# Altium PCB Apalis-Smart-Vision-Baseboard.PcbDoc (part 5 of 6) (continued)
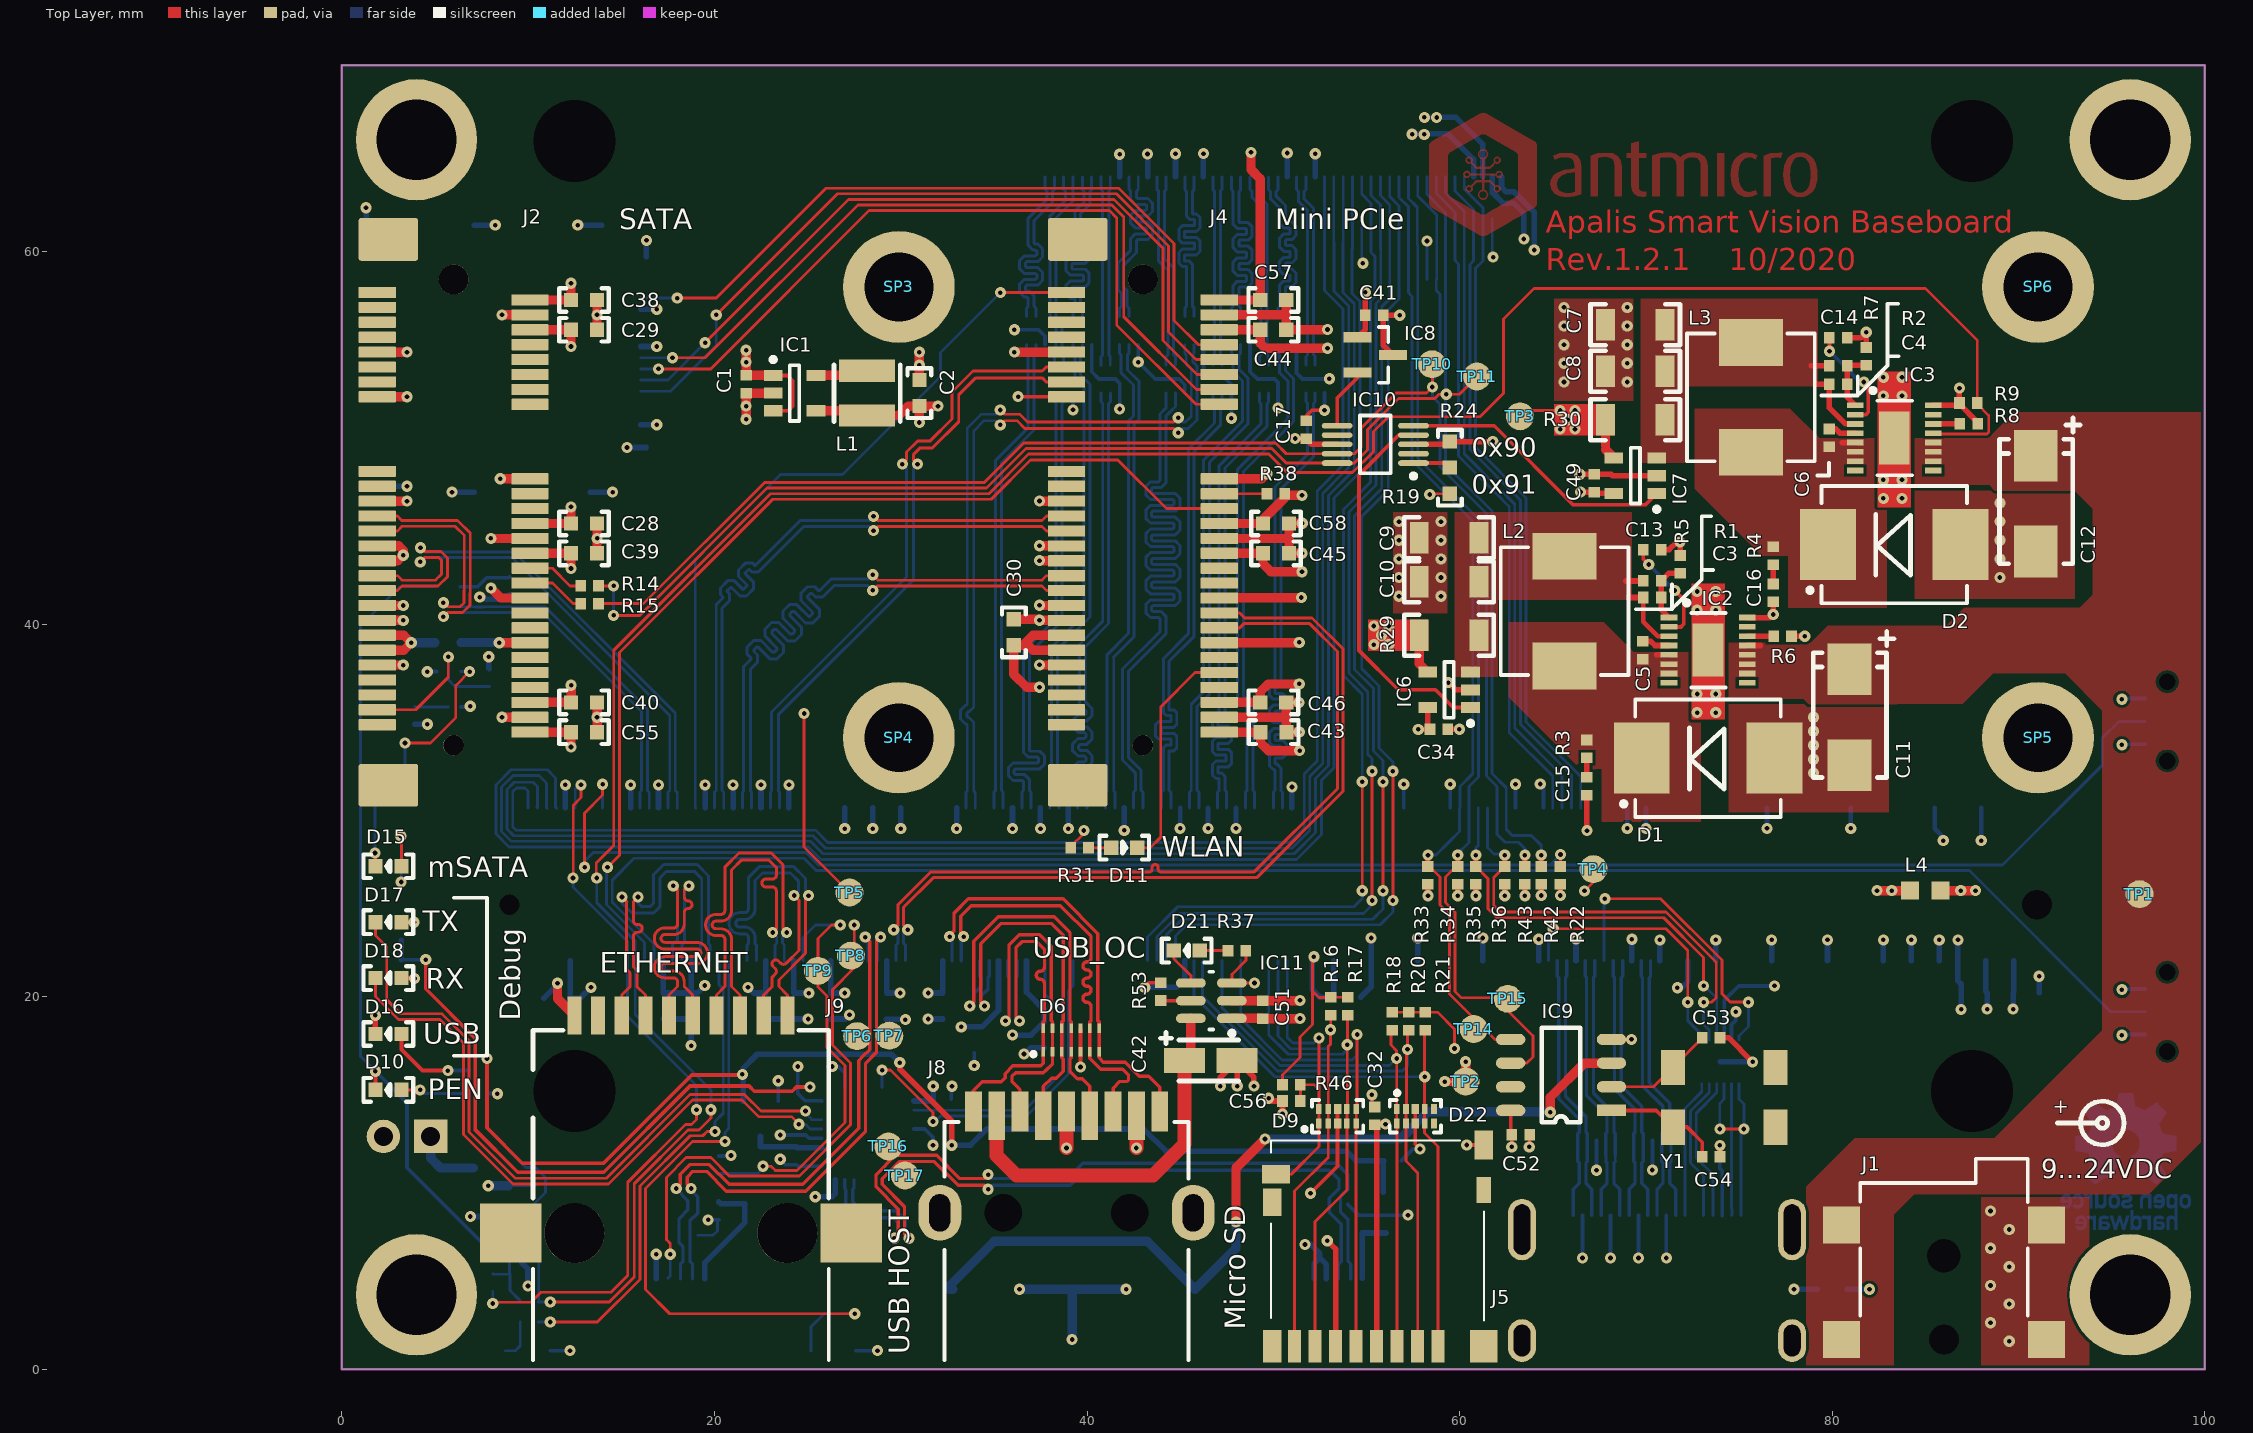
[diagram p0: Top Layer view]
## Nets (pads, with @x,y where several pads share a name; then routed paths per layer and width w, separated by ;. In a path a pad name is that pad's centre, name@x,y a point inside that pad or via, vN(x,y) a via of type N, cw(c..) or ccw(c..) an arc to the next point about the centre after c; other vN are vias at no path point) (continued)
; 96.866,13.937 97.794,13.937 ; 96.876,13.947 97.785,13.947 ; 96.885,8.089 97.096,8.089 ; 96.885,10.32 97.785,10.32 ; 96.894,8.079 97.096,8.079 ; 96.894,9.245 97.114,9.245 ; 96.894,10.311 97.775,10.311 ; 96.894,13.956 97.775,13.956 ; 96.903,13.965 97.766,13.965 ; 96.912,8.061 97.096,8.061 ; 96.912,8.07 97.096,8.07 ; 96.912,9.236 97.114,9.236 ; 96.912,10.301 97.766,10.301 ; 96.922,8.052 97.096,8.052 ; 96.922,9.227 97.114,9.227 ; 96.922,10.292 97.757,10.292 ; 96.922,13.974 97.757,13.974 ; 96.931,8.033 97.096,8.033 ; 96.931,8.043 97.096,8.043 ; 96.931,9.218 97.114,9.218 ; 96.931,13.983 97.748,13.983 ; 96.94,8.015 97.096,8.015 ; 96.94,8.024 97.096,8.024 ; 96.94,9.209 97.114,9.209 ; 96.94,10.283 97.748,10.283 ; 96.949,7.519 97.096,7.519 ; 96.949,7.528 97.096,7.528 ; 96.949,7.538 97.096,7.538 ; 96.949,7.547 97.096,7.547 ; 96.949,7.556 97.096,7.556 ; 96.949,7.565 97.096,7.565 ; 96.949,7.574 97.096,7.574 ; 96.949,7.584 97.096,7.584 ; 96.949,7.593 97.096,7.593 ; 96.949,7.602 97.096,7.602 ; 96.949,7.611 97.096,7.611 ; 96.949,7.62 97.096,7.62 ; 96.949,7.629 97.096,7.629 ; 96.949,7.639 97.096,7.639 ; 96.949,7.648 97.096,7.648 ; 96.949,7.657 97.096,7.657 ; 96.949,7.666 97.096,7.666 ; 96.949,7.675 97.096,7.675 ; 96.949,7.684 97.096,7.684 ; 96.949,7.694 97.096,7.694 ; 96.949,7.703 97.096,7.703 ; 96.949,7.712 97.096,7.712 ; 96.949,7.721 97.096,7.721 ; 96.949,7.73 97.096,7.73 ; 96.949,7.74 97.096,7.74 ; 96.949,7.749 97.096,7.749 ; 96.949,7.758 97.096,7.758 ; 96.949,7.767 97.096,7.767 ; 96.949,7.776 97.096,7.776 ; 96.949,7.785 97.096,7.785 ; 96.949,7.795 97.096,7.795 ; 96.949,7.804 97.096,7.804 ; 96.949,7.813 97.096,7.813 ; 96.949,7.822 97.096,7.822 ; 96.949,7.831 97.096,7.831 ; 96.949,7.841 97.096,7.841 ; 96.949,7.85 97.096,7.85 ; 96.949,7.859 97.096,7.859 ; 96.949,7.868 97.096,7.868 ; 96.949,7.877 97.096,7.877 ; 96.949,7.886 97.096,7.886 ; 96.949,7.896 97.096,7.896 ; 96.949,7.905 97.096,7.905 ; 96.949,7.914 97.096,7.914 ; 96.949,7.923 97.096,7.923 ; 96.949,7.932 97.096,7.932 ; 96.949,7.942 97.096,7.942 ; 96.949,7.951 97.096,7.951 ; 96.949,7.96 97.096,7.96 ; 96.949,7.969 97.096,7.969 ; 96.949,7.978 97.096,7.978 ; 96.949,7.988 97.096,7.988 ; 96.949,7.997 97.096,7.997 ; 96.949,8.006 97.096,8.006 ; 96.949,8.171 97.096,8.171 ; 96.949,8.18 97.096,8.18 ; 96.949,8.19 97.096,8.19 ; 96.949,8.199 97.096,8.199 ; 96.949,8.208 97.096,8.208 ; 96.949,8.217 97.096,8.217 ; 96.949,8.226 97.096,8.226 ; 96.949,8.235 97.096,8.235 ; 96.949,9.2 97.114,9.2 ; 96.949,10.274 97.739,10.274 ; 96.949,13.992 97.739,13.992 ; 96.958,9.181 97.114,9.181 ; 96.958,9.19 97.114,9.19 ; 96.958,10.265 97.73,10.265 ; 96.958,14.002 97.73,14.002 ; 96.967,9.154 97.114,9.154 ; 96.967,9.163 97.114,9.163 ; 96.967,9.172 97.114,9.172 ; 96.977,8.676 97.114,8.676 ; 96.977,8.685 97.114,8.685 ; 96.977,8.695 97.114,8.695 ; 96.977,8.704 97.114,8.704 ; 96.977,8.713 97.114,8.713 ; 96.977,8.722 97.114,8.722 ; 96.977,8.731 97.114,8.731 ; 96.977,8.74 97.114,8.74 ; 96.977,8.75 97.114,8.75 ; 96.977,8.759 97.114,8.759 ; 96.977,8.768 97.114,8.768 ; 96.977,8.777 97.114,8.777 ; 96.977,8.786 97.114,8.786 ; 96.977,8.796 97.114,8.796 ; 96.977,8.805 97.114,8.805 ; 96.977,8.814 97.114,8.814 ; 96.977,8.823 97.114,8.823 ; 96.977,8.832 97.114,8.832 ; 96.977,8.841 97.114,8.841 ; 96.977,8.851 97.114,8.851 ; 96.977,8.86 97.114,8.86 ; 96.977,8.869 97.114,8.869 ; 96.977,8.878 97.114,8.878 ; 96.977,8.887 97.114,8.887 ; 96.977,8.897 97.114,8.897 ; 96.977,8.906 97.114,8.906 ; 96.977,8.915 97.114,8.915 ; 96.977,8.924 97.114,8.924 ; 96.977,8.933 97.114,8.933 ; 96.977,8.942 97.114,8.942 ; 96.977,8.952 97.114,8.952 ; 96.977,8.961 97.114,8.961 ; 96.977,8.97 97.114,8.97 ; 96.977,8.979 97.114,8.979 ; 96.977,8.988 97.114,8.988 ; 96.977,8.998 97.114,8.998 ; 96.977,9.007 97.114,9.007 ; 96.977,9.016 97.114,9.016 ; 96.977,9.025 97.114,9.025 ; 96.977,9.034 97.114,9.034 ; 96.977,9.043 97.114,9.043 ; 96.977,9.053 97.114,9.053 ; 96.977,9.062 97.114,9.062 ; 96.977,9.071 97.114,9.071 ; 96.977,9.08 97.114,9.08 ; 96.977,9.089 97.114,9.089 ; 96.977,9.099 97.114,9.099 ; 96.977,9.108 97.114,9.108 ; 96.977,9.117 97.114,9.117 ; 96.977,9.126 97.114,9.126 ; 96.977,9.135 97.114,9.135 ; 96.977,9.144 97.114,9.144 ; 96.977,9.319 97.114,9.319 ; 96.977,9.328 97.114,9.328 ; 96.977,9.337 97.114,9.337 ; 96.977,9.346 97.114,9.346 ; 96.977,9.356 97.114,9.356 ; 96.977,9.365 97.114,9.365 ; 96.977,9.374 97.114,9.374 ; 96.977,9.383 97.114,9.383 ; 96.977,10.255 97.72,10.255 ; 96.977,14.011 97.72,14.011 ; 96.986,10.246 97.711,10.246 ; 96.986,14.02 97.711,14.02 ; 96.995,14.029 97.702,14.029 ; 97.004,10.237 97.702,10.237 ; 97.013,10.228 97.693,10.228 ; 97.013,14.038 97.693,14.038 ; 97.023,14.048 97.684,14.048 ; 97.032,10.219 97.684,10.219 ; 97.041,10.21 97.674,10.21 ; 97.041,14.057 97.674,14.057 ; 97.05,14.066 97.665,14.066 ; 97.059,10.2 97.665,10.2 ; 97.068,10.191 97.656,10.191 ; 97.068,14.075 97.656,14.075 ; 97.078,14.084 97.647,14.084 ; 97.087,10.182 97.647,10.182 ; 97.096,10.173 97.638,10.173 ; 97.096,14.093 97.638,14.093 ; 97.105,10.164 97.629,10.164 ; 97.105,14.103 97.629,14.103 ; 97.124,10.154 97.619,10.154 ; 97.124,14.112 97.619,14.112 ; 97.133,10.145 97.61,10.145 ; 97.133,14.121 97.61,14.121 ; 97.151,10.136 97.601,10.136 ; 97.151,14.13 97.601,14.13 ; 97.16,10.127 97.592,10.127 ; 97.16,14.139 97.592,14.139 ; 97.169,14.149 97.583,14.149 ; 97.179,10.118 97.583,10.118 ; 97.188,10.109 97.573,10.109 ; 97.188,14.158 97.573,14.158 ; 97.197,14.167 97.564,14.167 ; 97.206,10.099 97.564,10.099 ; 97.215,10.09 97.555,10.09 ; 97.215,14.176 97.555,14.176 ; 97.225,14.185 97.546,14.185 ; 97.234,10.081 97.546,10.081 ; 97.243,10.072 97.537,10.072 ; 97.243,14.194 97.537,14.194 ; 97.252,8.979 97.84,8.979 ; 97.252,8.988 97.84,8.988 ; 97.252,8.998 97.84,8.998 ; 97.252,9.007 97.84,9.007 ; 97.252,9.016 97.84,9.016 ; 97.252,9.025 97.84,9.025 ; 97.252,9.034 97.84,9.034 ; 97.252,9.043 97.84,9.043 ; 97.252,9.053 97.84,9.053 ; 97.252,9.062 97.84,9.062 ; 97.252,9.071 97.84,9.071 ; 97.252,9.08 97.84,9.08 ; 97.252,9.089 97.84,9.089 ; 97.252,9.099 97.39,9.099 ; 97.252,9.108 97.39,9.108 ; 97.252,9.117 97.39,9.117 ; 97.252,9.126 97.39,9.126 ; 97.252,9.135 97.399,9.135 ; 97.252,9.144 97.399,9.144 ; 97.252,9.154 97.399,9.154 ; 97.252,10.063 97.528,10.063 ; 97.252,14.204 97.528,14.204 ; 97.261,7.519 97.399,7.519 ; 97.261,7.528 97.399,7.528 ; 97.261,7.538 97.399,7.538 ; 97.261,7.547 97.399,7.547 ; 97.261,7.556 97.399,7.556 ; 97.261,7.565 97.399,7.565 ; 97.261,7.574 97.399,7.574 ; 97.261,7.584 97.785,7.584 ; 97.261,7.593 97.794,7.593 ; 97.261,7.602 97.803,7.602 ; 97.261,7.611 97.803,7.611 ; 97.261,7.62 97.812,7.62 ; 97.261,7.629 97.812,7.629 ; 97.261,7.639 97.821,7.639 ; 97.261,7.648 97.472,7.648 ; 97.261,7.657 97.445,7.657 ; 97.261,7.666 97.436,7.666 ; 97.261,7.675 97.427,7.675 ; 97.261,7.684 97.417,7.684 ; 97.261,7.694 97.417,7.694 ; 97.261,7.703 97.408,7.703 ; 97.261,7.712 97.408,7.712 ; 97.261,7.721 97.408,7.721 ; 97.261,7.73 97.399,7.73 ; 97.261,7.74 97.399,7.74 ; 97.261,7.749 97.399,7.749 ; 97.261,7.758 97.399,7.758 ; 97.261,7.767 97.399,7.767 ; 97.261,7.776 97.399,7.776 ; 97.261,7.785 97.399,7.785 ; 97.261,7.795 97.399,7.795 ; 97.261,7.804 97.399,7.804 ; 97.261,7.813 97.399,7.813 ; 97.261,7.822 97.399,7.822 ; 97.261,7.831 97.812,7.831 ; 97.261,7.841 97.812,7.841 ; 97.261,7.85 97.803,7.85 ; 97.261,7.859 97.794,7.859 ; 97.261,7.868 97.785,7.868 ; 97.261,7.877 97.785,7.877 ; 97.261,7.886 97.766,7.886 ; 97.261,7.896 97.757,7.896 ; 97.261,7.905 97.748,7.905 ; 97.261,7.914 97.73,7.914 ; 97.261,7.923 97.711,7.923 ; 97.261,7.932 97.674,7.932 ; 97.261,7.942 97.408,7.942 ; 97.261,7.951 97.399,7.951 ; 97.261,7.96 97.399,7.96 ; 97.261,7.969 97.399,7.969 ; 97.261,7.978 97.399,7.978 ; 97.261,7.988 97.399,7.988 ; 97.261,7.997 97.399,7.997 ; 97.261,8.006 97.399,8.006 ; 97.261,8.015 97.399,8.015 ; 97.261,8.024 97.399,8.024 ; 97.261,8.033 97.399,8.033 ; 97.261,8.043 97.399,8.043 ; 97.261,8.052 97.408,8.052 ; 97.261,8.061 97.408,8.061 ; 97.261,9.163 97.399,9.163 ; 97.261,9.172 97.408,9.172 ; 97.261,9.181 97.408,9.181 ; 97.261,9.19 97.417,9.19 ; 97.27,8.07 97.417,8.07 ; 97.27,8.079 97.417,8.079 ; 97.27,8.089 97.427,8.089 ; 97.27,8.098 97.445,8.098 ; 97.27,8.768 97.775,8.768 ; 97.27,8.777 97.775,8.777 ; 97.27,9.2 97.417,9.2 ; 97.27,9.209 97.427,9.209 ; 97.27,9.218 97.436,9.218 ; 97.27,10.053 97.518,10.053 ; 97.27,14.213 97.518,14.213 ; 97.28,8.107 97.472,8.107 ; 97.28,8.116 97.546,8.116 ; 97.28,8.125 97.775,8.125 ; 97.28,8.759 97.766,8.759 ; 97.28,8.786 97.785,8.786 ; 97.28,9.227 97.445,9.227 ; 97.28,9.236 97.454,9.236 ; 97.28,10.044 97.509,10.044 ; 97.28,14.222 97.509,14.222 ; 97.289,8.134 97.785,8.134 ; 97.289,8.75 97.757,8.75 ; 97.289,8.796 97.491,8.796 ; 97.289,9.245 97.463,9.245 ; 97.289,9.255 97.482,9.255 ; 97.298,8.144 97.803,8.144 ; 97.298,8.153 97.794,8.153 ; 97.298,8.805 97.454,8.805 ; 97.298,9.264 97.509,9.264 ; 97.298,9.273 97.785,9.273 ; 97.298,10.035 97.5,10.035 ; 97.298,14.231 97.5,14.231 ; 97.307,8.162 97.785,8.162 ; 97.307,8.74 97.748,8.74 ; 97.307,9.282 97.775,9.282 ; 97.307,10.026 97.491,10.026 ; 97.307,14.24 97.491,14.24 ; 97.316,8.171 97.785,8.171 ; 97.316,8.731 97.739,8.731 ; 97.316,8.814 97.436,8.814 ; 97.316,9.291 97.766,9.291 ; 97.316,14.25 97.482,14.25 ; 97.326,8.18 97.766,8.18 ; 97.326,8.722 97.73,8.722 ; 97.326,8.823 97.417,8.823 ; 97.326,9.301 97.766,9.301 ; 97.326,10.017 97.482,10.017 ; 97.335,8.19 97.757,8.19 ; 97.335,8.832 97.399,8.832 ; 97.335,9.31 97.757,9.31 ; 97.335,10.008 97.472,10.008 ; 97.335,14.259 97.472,14.259 ; 97.344,8.199 97.748,8.199 ; 97.344,8.713 97.711,8.713 ; 97.344,8.841 97.39,8.841 ; 97.344,9.319 97.748,9.319 ; 97.344,14.268 97.463,14.268 ; 97.353,8.704 97.702,8.704 ; 97.353,8.851 97.381,8.851 ; 97.353,9.328 97.739,9.328 ; 97.353,9.998 97.463,9.998 ; 97.362,8.208 97.73,8.208 ; 97.362,9.337 97.73,9.337 ; 97.362,9.989 97.454,9.989 ; 97.362,14.277 97.454,14.277 ; 97.371,8.695 97.684,8.695 ; 97.371,14.286 97.445,14.286 ; 97.381,8.217 97.72,8.217 ; 97.381,9.346 97.711,9.346 ; 97.381,9.98 97.445,9.98 ; 97.39,8.685 97.656,8.685 ; 97.39,9.356 97.702,9.356 ; 97.39,9.971 97.427,9.971 ; 97.39,14.295 97.436,14.295 ; 97.408,8.226 97.693,8.226 ; 97.408,9.365 97.684,9.365 ; 97.417,7.574 97.775,7.574 ; 97.417,8.676 97.638,8.676 ; 97.427,7.556 97.748,7.556 ; 97.427,7.565 97.766,7.565 ; 97.427,9.374 97.665,9.374 ; 97.436,7.547 97.739,7.547 ; 97.436,8.235 97.665,8.235 ; 97.454,7.538 97.72,7.538 ; 97.454,8.667 97.601,8.667 ; 97.454,9.383 97.647,9.383 ; 97.472,7.528 97.702,7.528 ; 97.482,9.392 97.61,9.392 ; 97.491,8.245 97.61,8.245 ; 97.5,7.519 97.665,7.519 ; 97.564,7.51 97.601,7.51 ; 97.564,8.116 97.766,8.116 ; 97.573,8.796 97.794,8.796 ; 97.583,9.264 97.785,9.264 ; 97.601,8.805 97.794,8.805 ; 97.61,9.255 97.794,9.255 ; 97.619,7.822 97.821,7.822 ; 97.619,8.814 97.803,8.814 ; 97.629,7.648 97.821,7.648 ; 97.629,8.107 97.748,8.107 ; 97.629,9.245 97.794,9.245 ; 97.638,8.823 97.803,8.823 ; 97.638,9.236 97.803,9.236 ; 97.647,8.832 97.812,8.832 ; 97.656,7.657 97.831,7.657 ; 97.656,7.813 97.821,7.813 ; 97.656,8.098 97.739,8.098 ; 97.656,8.841 97.812,8.841 ; 97.656,9.227 97.803,9.227 ; 97.665,8.089 97.73,8.089 ; 97.665,8.851 97.812,8.851 ; 97.665,9.209 97.812,9.209 ; 97.665,9.218 97.812,9.218 ; 97.674,7.666 97.831,7.666 ; 97.674,7.804 97.831,7.804 ; 97.674,8.079 97.711,8.079 ; 97.674,8.86 97.821,8.86 ; 97.674,8.869 97.821,8.869 ; 97.674,9.2 97.821,9.2 ; 97.684,7.675 97.831,7.675 ; 97.684,7.795 97.831,7.795 ; 97.684,8.07 97.702,8.07 ; 97.684,8.878 97.821,8.878 ; 97.684,8.887 97.831,8.887 ; 97.684,9.181 97.821,9.181 ; 97.684,9.19 97.821,9.19 ; 97.693,7.684 97.84,7.684 ; 97.693,7.785 97.831,7.785 ; 97.693,8.897 97.831,8.897 ; 97.693,8.906 97.831,8.906 ; 97.693,8.915 97.831,8.915 ; 97.693,9.154 97.831,9.154 ; 97.693,9.163 97.831,9.163 ; 97.693,9.172 97.821,9.172 ; 97.702,7.694 97.84,7.694 ; 97.702,7.703 97.84,7.703 ; 97.702,7.712 97.84,7.712 ; 97.702,7.721 97.84,7.721 ; 97.702,7.749 97.84,7.749 ; 97.702,7.758 97.84,7.758 ; 97.702,7.767 97.84,7.767 ; 97.702,7.776 97.831,7.776 ; 97.702,8.924 97.84,8.924 ; 97.702,8.933 97.84,8.933 ; 97.702,8.942 97.84,8.942 ; 97.702,8.952 97.84,8.952 ; 97.702,8.961 97.84,8.961 ; 97.702,8.97 97.84,8.97 ; 97.702,9.099 97.84,9.099 ; 97.702,9.108 97.84,9.108 ; 97.702,9.117 97.84,9.117 ; 97.702,9.126 97.84,9.126 ; 97.702,9.135 97.831,9.135 ; 97.702,9.144 97.831,9.144 ; 97.711,7.73 97.84,7.73 ; 97.711,7.74 97.84,7.74 ; 97.95,7.519 98.088,7.519 ; 97.95,7.528 98.088,7.528 ; 97.95,7.538 98.088,7.538 ; 97.95,7.547 98.088,7.547 ; 97.95,7.556 98.088,7.556 ; 97.95,7.565 98.088,7.565 ; 97.95,7.574 98.088,7.574 ; 97.95,7.584 98.088,7.584 ; 97.95,7.593 98.088,7.593 ; 97.95,7.602 98.088,7.602 ; 97.95,7.611 98.088,7.611 ; 97.95,7.62 98.088,7.62 ; 97.95,7.629 98.088,7.629 ; 97.95,7.639 98.088,7.639 ; 97.95,7.648 98.088,7.648 ; 97.95,7.657 98.088,7.657 ; 97.95,7.666 98.088,7.666 ; 97.95,7.675 98.088,7.675 ; 97.95,7.684 98.088,7.684 ; 97.95,7.694 98.088,7.694 ; 97.95,7.703 98.088,7.703 ; 97.95,7.712 98.088,7.712 ; 97.95,7.721 98.088,7.721 ; 97.95,7.73 98.088,7.73 ; 97.95,7.74 98.088,7.74 ; 97.95,7.749 98.088,7.749 ; 97.95,7.758 98.088,7.758 ; 97.95,7.767 98.088,7.767 ; 97.95,7.776 98.088,7.776 ; 97.95,7.785 98.088,7.785 ; 97.95,7.795 98.088,7.795 ; 97.95,7.804 98.088,7.804 ; 97.95,7.813 98.088,7.813 ; 97.95,7.822 98.088,7.822 ; 97.95,7.831 98.088,7.831 ; 97.95,7.841 98.088,7.841 ; 97.95,7.85 98.088,7.85 ; 97.95,7.859 98.088,7.859 ; 97.95,7.868 98.088,7.868 ; 97.95,7.877 98.088,7.877 ; 97.95,7.886 98.088,7.886 ; 97.95,7.896 98.088,7.896 ; 97.95,7.905 98.088,7.905 ; 97.95,7.914 98.088,7.914 ; 97.95,7.923 98.088,7.923 ; 97.95,7.932 98.088,7.932 ; 97.95,7.942 98.088,7.942 ; 97.95,7.951 98.088,7.951 ; 97.95,7.96 98.088,7.96 ; 97.95,7.969 98.088,7.969 ; 97.95,7.978 98.097,7.978 ; 97.95,7.988 98.097,7.988 ; 97.95,7.997 98.097,7.997 ; 97.95,8.006 98.097,8.006 ; 97.95,8.015 98.097,8.015 ; 97.95,8.024 98.106,8.024 ; 97.95,8.033 98.106,8.033 ; 97.95,8.906 98.097,8.906 ; 97.95,8.915 98.097,8.915 ; 97.95,8.924 98.097,8.924 ; 97.95,8.933 98.097,8.933 ; 97.95,8.942 98.097,8.942 ; 97.95,8.952 98.097,8.952 ; 97.95,8.961 98.088,8.961 ; 97.95,8.97 98.088,8.97 ; 97.95,8.979 98.088,8.979 ; 97.95,8.988 98.088,8.988 ; 97.95,8.998 98.088,8.998 ; 97.95,9.007 98.088,9.007 ; 97.95,9.016 98.088,9.016 ; 97.95,9.025 98.088,9.025 ; 97.95,9.034 98.088,9.034 ; 97.95,9.043 98.088,9.043 ; 97.95,9.053 98.088,9.053 ; 97.95,9.062 98.088,9.062 ; 97.95,9.071 98.088,9.071 ; 97.95,9.08 98.088,9.08 ; 97.95,9.089 98.088,9.089 ; 97.95,9.099 98.088,9.099 ; 97.95,9.108 98.097,9.108 ; 97.95,9.117 98.097,9.117 ; 97.95,9.126 98.097,9.126 ; 97.95,9.135 98.097,9.135 ; 97.95,9.144 98.097,9.144 ; 97.95,9.154 98.097,9.154 ; 97.959,8.043 98.115,8.043 ; 97.959,8.052 98.124,8.052 ; 97.959,8.061 98.124,8.061 ; 97.959,8.07 98.134,8.07 ; 97.959,8.079 98.152,8.079 ; 97.959,8.841 98.134,8.841 ; 97.959,8.851 98.124,8.851 ; 97.959,8.86 98.115,8.86 ; 97.959,8.869 98.115,8.869 ; 97.959,8.878 98.106,8.878 ; 97.959,8.887 98.106,8.887 ; 97.959,8.897 98.106,8.897 ; 97.959,9.163 98.106,9.163 ; 97.959,9.172 98.106,9.172 ; 97.959,9.181 98.106,9.181 ; 97.959,9.19 98.115,9.19 ; 97.959,9.2 98.115,9.2 ; 97.959,9.209 98.124,9.209 ; 97.959,9.218 98.134,9.218 ; 97.968,8.089 98.161,8.089 ; 97.968,8.098 98.179,8.098 ; 97.968,8.107 98.216,8.107 ; 97.968,8.805 98.198,8.805 ; 97.968,8.814 98.17,8.814 ; 97.968,8.823 98.152,8.823 ; 97.968,8.832 98.143,8.832 ; 97.968,9.227 98.143,9.227 ; 97.968,9.236 98.152,9.236 ; 97.968,9.245 98.17,9.245 ; 97.968,9.255 98.198,9.255 ; 97.977,8.116 98.528,8.116 ; 97.977,8.786 98.528,8.786 ; 97.977,8.796 98.528,8.796 ; 97.977,9.264 98.528,9.264 ; 97.977,9.273 98.528,9.273 ; 97.987,8.125 98.528,8.125 ; 97.987,8.134 98.528,8.134 ; 97.987,8.777 98.528,8.777 ; 97.987,9.282 98.528,9.282 ; 97.996,8.144 98.528,8.144 ; 97.996,8.153 98.528,8.153 ; 97.996,8.759 98.528,8.759 ; 97.996,8.768 98.528,8.768 ; 97.996,9.291 98.528,9.291 ; 97.996,9.301 98.528,9.301 ; 98.005,8.162 98.528,8.162 ; 98.005,8.75 98.528,8.75 ; 98.005,9.31 98.528,9.31 ; 98.014,8.171 98.372,8.171 ; 98.014,8.74 98.372,8.74 ; 98.014,9.319 98.372,9.319 ; 98.023,8.18 98.363,8.18 ; 98.023,8.731 98.363,8.731 ; 98.023,9.328 98.363,9.328 ; 98.033,8.19 98.354,8.19 ; 98.033,8.722 98.354,8.722 ; 98.033,9.337 98.354,9.337 ; 98.042,8.713 98.345,8.713 ; 98.042,9.346 98.345,9.346 ; 98.051,8.199 98.345,8.199 ; 98.051,8.704 98.326,8.704 ; 98.051,9.356 98.336,9.356 ; 98.06,8.208 98.326,8.208 ; 98.069,8.695 98.308,8.695 ; 98.069,9.365 98.317,9.365 ; 98.078,8.217 98.308,8.217 ; 98.078,8.685 98.299,8.685 ; 98.088,9.374 98.299,9.374 ; 98.097,8.226 98.299,8.226 ; 98.106,8.676 98.271,8.676 ; 98.106,9.383 98.271,9.383 ; 98.115,8.235 98.271,8.235 ; 98.134,8.667 98.253,8.667 ; 98.134,9.392 98.253,9.392 ; 98.152,8.245 98.225,8.245 ; 98.253,8.107 98.528,8.107 ; 98.28,8.805 98.528,8.805 ; 98.28,9.255 98.528,9.255 ; 98.299,8.098 98.528,8.098 ; 98.299,9.245 98.528,9.245 ; 98.308,8.814 98.528,8.814 ; 98.317,8.089 98.528,8.089 ; 98.317,9.236 98.528,9.236 ; 98.326,8.079 98.528,8.079 ; 98.326,8.823 98.528,8.823 ; 98.336,8.07 98.528,8.07 ; 98.336,8.832 98.528,8.832 ; 98.336,9.227 98.528,9.227 ; 98.345,8.061 98.528,8.061 ; 98.345,8.841 98.528,8.841 ; 98.345,8.851 98.528,8.851 ; 98.345,9.209 98.528,9.209 ; 98.345,9.218 98.528,9.218 ; 98.354,8.052 98.528,8.052 ; 98.354,8.86 98.528,8.86 ; 98.354,9.2 98.528,9.2 ; 98.363,8.033 98.528,8.033 ; 98.363,8.043 98.528,8.043 ; 98.363,8.869 98.528,8.869 ; 98.363,8.878 98.528,8.878 ; 98.363,9.172 98.528,9.172 ; 98.363,9.181 98.528,9.181 ; 98.363,9.19 98.528,9.19 ; 98.372,8.006 98.528,8.006 ; 98.372,8.015 98.528,8.015 ; 98.372,8.024 98.528,8.024 ; 98.372,8.887 98.528,8.887 ; 98.372,8.897 98.528,8.897 ; 98.372,8.906 98.528,8.906 ; 98.372,8.915 98.528,8.915 ; 98.372,9.144 98.528,9.144 ; 98.372,9.154 98.528,9.154 ; 98.372,9.163 98.528,9.163 ; 98.381,7.519 98.528,7.519 ; 98.381,7.528 98.528,7.528 ; 98.381,7.538 98.528,7.538 ; 98.381,7.547 98.528,7.547 ; 98.381,7.556 98.528,7.556 ; 98.381,7.565 98.528,7.565 ; 98.381,7.574 98.528,7.574 ; 98.381,7.584 98.528,7.584 ; 98.381,7.593 98.528,7.593 ; 98.381,7.602 98.528,7.602 ; 98.381,7.611 98.528,7.611 ; 98.381,7.62 98.528,7.62 ; 98.381,7.629 98.528,7.629 ; 98.381,7.639 98.528,7.639 ; 98.381,7.648 98.528,7.648 ; 98.381,7.657 98.528,7.657 ; 98.381,7.666 98.528,7.666 ; 98.381,7.675 98.528,7.675 ; 98.381,7.684 98.528,7.684 ; 98.381,7.694 98.528,7.694 ; 98.381,7.703 98.528,7.703 ; 98.381,7.712 98.528,7.712 ; 98.381,7.721 98.528,7.721 ; 98.381,7.73 98.528,7.73 ; 98.381,7.74 98.528,7.74 ; 98.381,7.749 98.528,7.749 ; 98.381,7.758 98.528,7.758 ; 98.381,7.767 98.528,7.767 ; 98.381,7.776 98.528,7.776 ; 98.381,7.785 98.528,7.785 ; 98.381,7.795 98.528,7.795 ; 98.381,7.804 98.528,7.804 ; 98.381,7.813 98.528,7.813 ; 98.381,7.822 98.528,7.822 ; 98.381,7.831 98.528,7.831 ; 98.381,7.841 98.528,7.841 ; 98.381,7.85 98.528,7.85 ; 98.381,7.859 98.528,7.859 ; 98.381,7.868 98.528,7.868 ; 98.381,7.877 98.528,7.877 ; 98.381,7.886 98.528,7.886 ; 98.381,7.896 98.528,7.896 ; 98.381,7.905 98.528,7.905 ; 98.381,7.914 98.528,7.914 ; 98.381,7.923 98.528,7.923 ; 98.381,7.932 98.528,7.932 ; 98.381,7.942 98.528,7.942 ; 98.381,7.951 98.528,7.951 ; 98.381,7.96 98.528,7.96 ; 98.381,7.969 98.528,7.969 ; 98.381,7.978 98.528,7.978 ; 98.381,7.988 98.528,7.988 ; 98.381,7.997 98.528,7.997 ; 98.381,8.171 98.528,8.171 ; 98.381,8.18 98.528,8.18 ; 98.381,8.19 98.528,8.19 ; 98.381,8.199 98.528,8.199 ; 98.381,8.208 98.528,8.208 ; 98.381,8.217 98.528,8.217 ; 98.381,8.226 98.528,8.226 ; 98.381,8.235 98.528,8.235 ; 98.381,8.245 98.528,8.245 ; 98.381,8.254 98.528,8.254 ; 98.381,8.263 98.528,8.263 ; 98.381,8.272 98.528,8.272 ; 98.381,8.281 98.528,8.281 ; 98.381,8.291 98.528,8.291 ; 98.381,8.3 98.528,8.3 ; 98.381,8.309 98.528,8.309 ; 98.381,8.318 98.528,8.318 ; 98.381,8.327 98.528,8.327 ; 98.381,8.336 98.528,8.336 ; 98.381,8.346 98.528,8.346 ; 98.381,8.355 98.528,8.355 ; 98.381,8.364 98.528,8.364 ; 98.381,8.373 98.528,8.373 ; 98.381,8.382 98.528,8.382 ; 98.381,8.392 98.528,8.392 ; 98.381,8.401 98.528,8.401 ; 98.381,8.41 98.528,8.41 ; 98.381,8.419 98.528,8.419 ; 98.381,8.428 98.528,8.428 ; 98.381,8.437 98.528,8.437 ; 98.381,8.447 98.528,8.447 ; 98.381,8.456 98.528,8.456 ; 98.381,8.465 98.528,8.465 ; 98.381,8.474 98.528,8.474 ; 98.381,8.483 98.528,8.483 ; 98.381,8.493 98.528,8.493 ; 98.381,8.502 98.528,8.502 ; 98.381,8.511 98.528,8.511 ; 98.381,8.52 98.528,8.52 ; 98.381,8.529 98.528,8.529 ; 98.381,8.538 98.528,8.538 ; 98.381,8.548 98.528,8.548 ; 98.381,8.557 98.528,8.557 ; 98.381,8.566 98.528,8.566 ; 98.381,8.575 98.528,8.575 ; 98.381,8.584 98.528,8.584 ; 98.381,8.594 98.528,8.594 ; 98.381,8.603 98.528,8.603 ; 98.381,8.612 98.528,8.612 ; 98.381,8.621 98.528,8.621 ; 98.381,8.63 98.528,8.63 ; 98.381,8.639 98.528,8.639 ; 98.381,8.649 98.528,8.649 ; 98.381,8.658 98.528,8.658 ; 98.381,8.667 98.528,8.667 ; 98.381,8.676 98.528,8.676 ; 98.381,8.685 98.528,8.685 ; 98.381,8.695 98.528,8.695 ; 98.381,8.704 98.528,8.704 ; 98.381,8.713 98.528,8.713 ; 98.381,8.722 98.528,8.722 ; 98.381,8.731 98.528,8.731 ; 98.381,8.74 98.528,8.74 ; 98.381,8.924 98.528,8.924 ; 98.381,8.933 98.528,8.933 ; 98.381,8.942 98.528,8.942 ; 98.381,8.952 98.528,8.952 ; 98.381,8.961 98.528,8.961 ; 98.381,8.97 98.528,8.97 ; 98.381,8.979 98.528,8.979 ; 98.381,8.988 98.528,8.988 ; 98.381,8.998 98.528,8.998 ; 98.381,9.007 98.528,9.007 ; 98.381,9.016 98.528,9.016 ; 98.381,9.025 98.528,9.025 ; 98.381,9.034 98.528,9.034 ; 98.381,9.043 98.528,9.043 ; 98.381,9.053 98.528,9.053 ; 98.381,9.062 98.528,9.062 ; 98.381,9.071 98.528,9.071 ; 98.381,9.08 98.528,9.08 ; 98.381,9.089 98.528,9.089 ; 98.381,9.099 98.528,9.099 ; 98.381,9.108 98.528,9.108 ; 98.381,9.117 98.528,9.117 ; 98.381,9.126 98.528,9.126 ; 98.381,9.135 98.528,9.135 ; 98.381,9.319 98.528,9.319 ; 98.381,9.328 98.528,9.328 ; 98.381,9.337 98.528,9.337 ; 98.381,9.346 98.528,9.346 ; 98.381,9.356 98.528,9.356 ; 98.381,9.365 98.528,9.365 ; 98.381,9.374 98.528,9.374 ; 98.381,9.383 98.528,9.383 ; 98.657,8.933 98.804,8.933 ; 98.657,8.942 98.804,8.942 ; 98.657,8.952 98.804,8.952 ; 98.657,8.961 98.795,8.961 ; 98.657,8.97 98.795,8.97 ; 98.657,8.979 98.795,8.979 ; 98.657,8.988 98.795,8.988 ; 98.657,8.998 98.795,8.998 ; 98.657,9.007 98.795,9.007 ; 98.657,9.016 98.795,9.016 ; 98.657,9.025 98.795,9.025 ; 98.657,9.034 98.795,9.034 ; 98.657,9.043 98.795,9.043 ; 98.657,9.053 98.795,9.053 ; 98.657,9.062 98.795,9.062 ; 98.657,9.071 98.795,9.071 ; 98.657,9.08 98.795,9.08 ; 98.657,9.089 98.795,9.089 ; 98.657,9.099 98.795,9.099 ; 98.657,9.108 98.804,9.108 ; 98.657,9.117 98.804,9.117 ; 98.657,9.126 98.804,9.126 ; 98.666,8.878 98.822,8.878 ; 98.666,8.887 98.813,8.887 ; 98.666,8.897 98.813,8.897 ; 98.666,8.906 98.804,8.906 ; 98.666,8.915 98.804,8.915 ; 98.666,8.924 98.804,8.924 ; 98.666,9.135 98.804,9.135 ; 98.666,9.144 98.804,9.144 ; 98.666,9.154 98.804,9.154 ; 98.666,9.163 98.813,9.163 ; 98.666,9.172 98.813,9.172 ; 98.666,9.181 98.822,9.181 ; 98.675,8.851 98.841,8.851 ; 98.675,8.86 98.831,8.86 ; 98.675,8.869 98.822,8.869 ; 98.675,9.19 98.822,9.19 ; 98.675,9.2 98.831,9.2 ; 98.675,9.209 98.841,9.209 ; 98.684,8.823 98.868,8.823 ; 98.684,8.832 98.859,8.832 ; 98.684,8.841 98.85,8.841 ; 98.684,9.218 98.85,9.218 ; 98.684,9.227 98.859,9.227 ; 98.684,9.236 98.868,9.236 ; 98.694,8.805 98.914,8.805 ; 98.694,8.814 98.886,8.814 ; 98.694,9.245 98.886,9.245 ; 98.694,9.255 98.914,9.255 ; 98.703,8.796 99.208,8.796 ; 98.703,9.264 99.208,9.264 ; 98.712,8.777 99.189,8.777 ; 98.712,8.786 99.199,8.786 ; 98.712,9.273 99.199,9.273 ; 98.712,9.282 99.189,9.282 ; 98.721,8.768 99.18,8.768 ; 98.721,9.291 99.18,9.291 ; 98.73,8.759 99.18,8.759 ; 98.73,9.301 99.18,9.301 ; 98.74,8.75 99.171,8.75 ; 98.74,9.31 99.171,9.31 ; 98.749,8.74 99.162,8.74 ; 98.749,9.319 99.162,9.319 ; 98.758,8.731 99.153,8.731 ; 98.758,9.328 99.153,9.328 ; 98.767,8.722 99.144,8.722 ; 98.767,9.337 99.144,9.337 ; 98.776,8.713 99.125,8.713 ; 98.776,9.346 99.125,9.346 ; 98.795,8.704 99.116,8.704 ; 98.795,9.356 99.116,9.356 ; 98.813,8.695 99.098,8.695 ; 98.813,9.365 99.098,9.365 ; 98.831,8.685 99.079,8.685 ; 98.831,9.374 99.079,9.374 ; 98.859,8.676 99.052,8.676 ; 98.859,9.383 99.052,9.383 ; 98.886,8.667 99.015,8.667 ; 98.886,9.392 99.024,9.392 ; 98.987,9.255 99.208,9.255 ; 98.997,8.805 99.208,8.805 ; 99.015,9.245 99.217,9.245 ; 99.024,8.814 99.217,8.814 ; 99.033,8.823 99.217,8.823 ; 99.033,9.236 99.217,9.236 ; 99.052,8.832 99.226,8.832 ; 99.052,9.227 99.226,9.227 ; 99.061,8.841 99.226,8.841 ; 99.061,9.218 99.226,9.218 ; 99.07,8.851 99.226,8.851 ; 99.07,9.209 99.226,9.209 ; 99.079,8.86 99.235,8.86 ; 99.079,8.869 99.235,8.869 ; 99.079,9.19 99.235,9.19 ; 99.079,9.2 99.235,9.2 ; 99.088,8.878 99.235,8.878 ; 99.088,8.887 99.235,8.887 ; 99.088,9.172 99.235,9.172 ; 99.088,9.181 99.235,9.181 ; 99.098,8.897 99.235,8.897 ; 99.098,8.906 99.245,8.906 ; 99.098,8.915 99.245,8.915 ; 99.098,9.144 99.245,9.144 ; 99.098,9.154 99.245,9.154 ; 99.098,9.163 99.235,9.163 ; 99.107,8.924 99.245,8.924 ; 99.107,8.933 99.245,8.933 ; 99.107,8.942 99.245,8.942 ; 99.107,8.952 99.245,8.952 ; 99.107,8.961 99.245,8.961 ; 99.107,8.97 99.245,8.97 ; 99.107,8.979 99.245,8.979 ; 99.107,8.988 99.245,8.988 ; 99.107,8.998 99.245,8.998 ; 99.107,9.007 99.254,9.007 ; 99.107,9.016 99.254,9.016 ; 99.107,9.025 99.254,9.025 ; 99.107,9.034 99.254,9.034 ; 99.107,9.043 99.254,9.043 ; 99.107,9.053 99.254,9.053 ; 99.107,9.062 99.245,9.062 ; 99.107,9.071 99.245,9.071 ; 99.107,9.08 99.245,9.08 ; 99.107,9.089 99.245,9.089 ; 99.107,9.099 99.245,9.099 ; 99.107,9.108 99.245,9.108 ; 99.107,9.117 99.245,9.117 ; 99.107,9.126 99.245,9.126 ; 99.107,9.135 99.245,9.135

## Polygon pours and split planes (outlines as drawn)
GND on Top Layer "+3V3_GND" (solid, remove dead copper, pour order 66): 56.446,40.575 59.335,40.575 59.335,46 56.446,46
+5V0_SW on Top Layer "+5V0_SW" (solid, remove dead copper, pour order 60): 69.732,48.652 69.732,57.468 79.232,57.468 79.232,52.768 72.252,52.768 72.252,48.652
+3V3_SW on Top Layer "+3V3_SW" (solid, remove dead copper, pour order 65): 59.735,37.184 59.735,46 69.235,46 69.235,41.3 62.054,41.3 62.054,37.184
GND on Top Layer "+5V0_GND" (solid, remove dead copper, pour order 61): 65.088,52 69.332,52 69.332,57.468 65.088,57.468
no net on Top Layer "AntmicroLogoM" (solid, pour order 78): 113 vertices, not listed, extent 61.063,62.192 73.325,65.318
no net on Top Layer "AntmicroLogoI" (solid, pour order 80): 73.832,62.963 74.209,62.963 74.209,65.272 73.832,65.272
no net on Top Layer "AntmicroLogoT" (solid, pour order 76): 24 vertices, not listed, extent 68.962,62.942 70.007,65.918
no net on Top Layer "AntmicroLogoO" (solid, pour order 86): 33 vertices, not listed, extent 77.38,62.92 79.204,65.314
no net on Top Layer "AntmicroLogoR" (solid, pour order 84): 76.336,62.963 76.336,65.152 76.681,65.27 77.124,65.314 77.249,65.31 77.326,65.302 77.24,65.019 77.129,65.048 77.005,65.058 76.851,65.044 76.713,64.997 76.713,62.963
no net on Top Layer "AntmicroLogoN" (solid, pour order 74): 19 vertices, not listed, extent 67.03,62.963 68.709,65.314
no net on Top Layer "AntmicroLogoC" (solid, pour order 82): 39 vertices, not listed, extent 74.559,62.92 75.973,65.314
no net on Top Layer "AntmicroLogoA" (solid, pour order 72): 34 vertices, not listed, extent 64.878,62.92 66.523,65.314
no net on Top Layer "AntmicroLogo" (solid, pour order 70): 205 vertices, not listed, extent 50.65,62.412 62.318,65.493
no net on Top Layer "AntmicroLogo" (solid, pour order 68): 319 vertices, not listed, extent 58.369,60.823 64.153,67.449
GND on Top Layer "+5V0_INT_GND" (solid, remove dead copper, pour order 57): 84.432,47.168 84.432,41.368 93.032,41.368 93.032,47.168
NetC6_1 on Top Layer "+5V0_INT_SW" (solid, remove dead copper, pour order 58): 82.932,49.968 82.932,40.868 77.632,40.868 77.632,43.668 76.232,43.668 72.632,47.268 72.632,51.568 77.732,51.568 79.332,49.968
GND on Top Layer "+3V3_INT_GND" (solid, remove dead copper, pour order 63): 74.435,35.7 74.435,29.9 83.035,29.9 83.035,35.7
+VIN on Top Layer "+3V3_VIN" (solid, remove dead copper, pour order 62): 83.5,35.7 78.735,35.7 78.435,36 74.435,36 74.435,39 78.858,39 79.758,39.9 83.5,39.9
+VIN on Top Layer "+5V0_VIN" (solid, remove dead copper, pour order 56): 93.5,47.168 88.732,47.168 88.432,47.468 84.432,47.468 84.432,49.968 88.355,49.968 89.755,51.368 93.5,51.368
+VIN on Top Layer "InputConnectorVIN" (solid, remove dead copper, pour order 54): 26 vertices, not listed, extent 78.6,0 100,51.368
GND on Top Layer "InputConnectorGND" (solid, remove dead copper, pour order 55): 93.8,9.4 93.8,0 88,0 88,9.4
NetC5_1 on Top Layer "+3V3_INT_SW" (solid, remove dead copper, pour order 64): 72.935,38.5 72.935,29.4 67.635,29.4 67.635,32.2 66.5,32.2 62.635,36.065 62.635,40.1 67.735,40.1 69.335,38.5
no net on Top Solder "AntmicroLogoT" (solid, pour order 59): 24 vertices, not listed, extent 68.962,62.942 70.007,65.918